# Altium PCB BLACKPEARLROBOT.PcbDoc
Units mil, origin at the board's own origin, x right, y up, seen from the top; angles counter-clockwise.
Board outline 3160.64 x 5312.58 mil, 2 copper layers (Top Layer, Bottom Layer); 42 components, 89 nets, 235 pads, 110 vias.
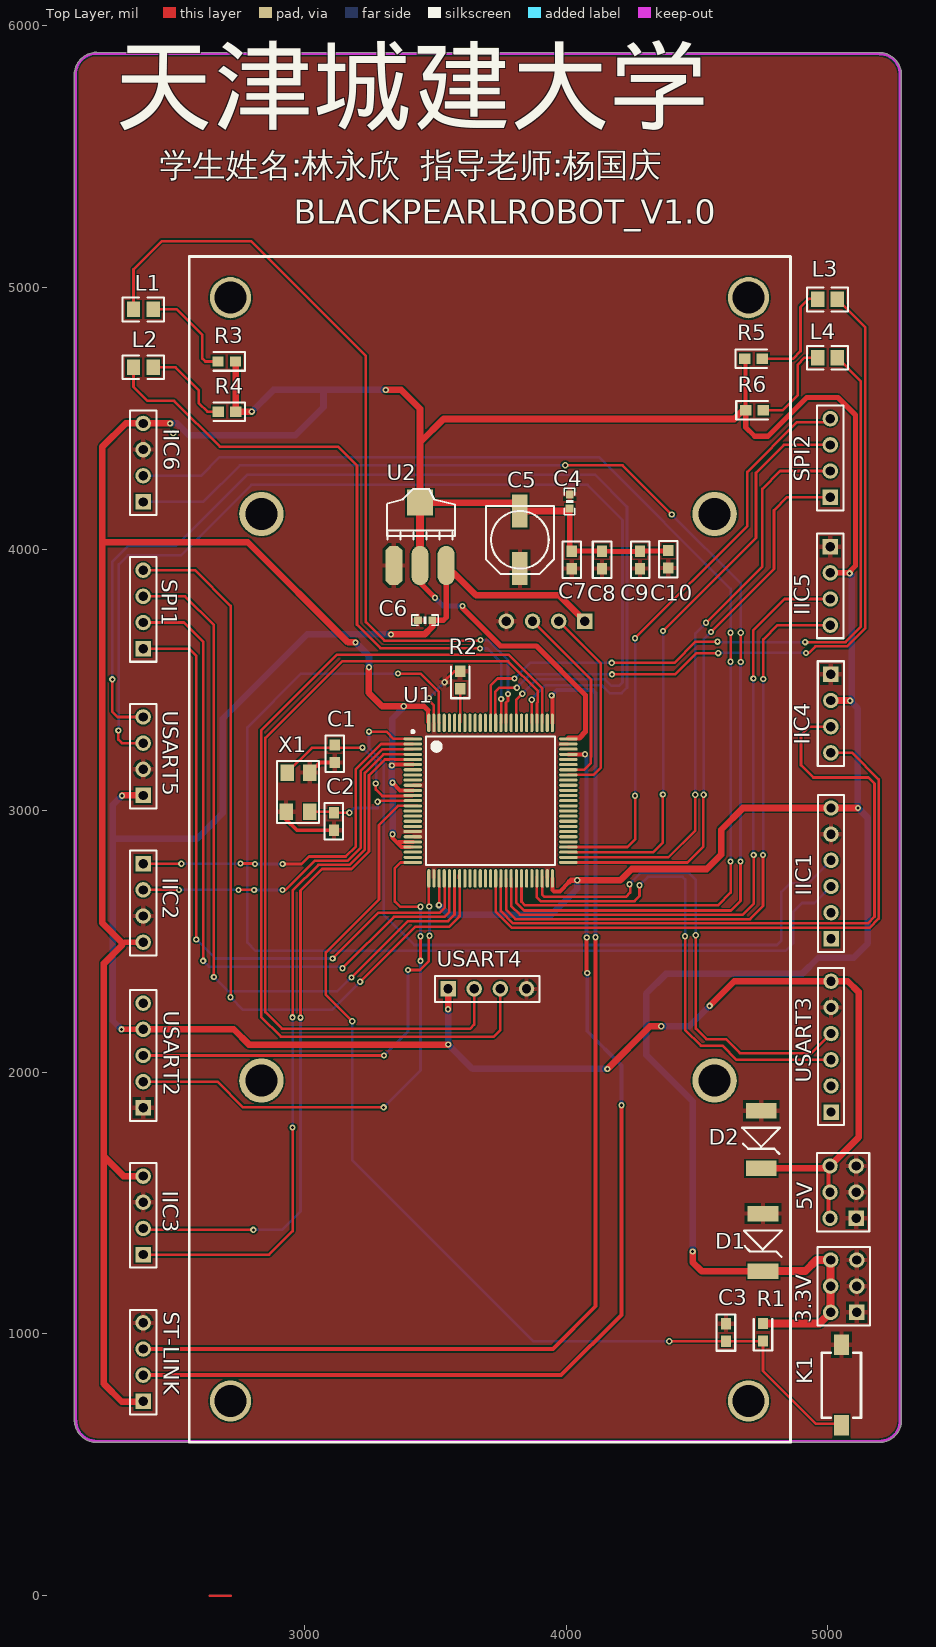
[diagram p0: Top Layer view]
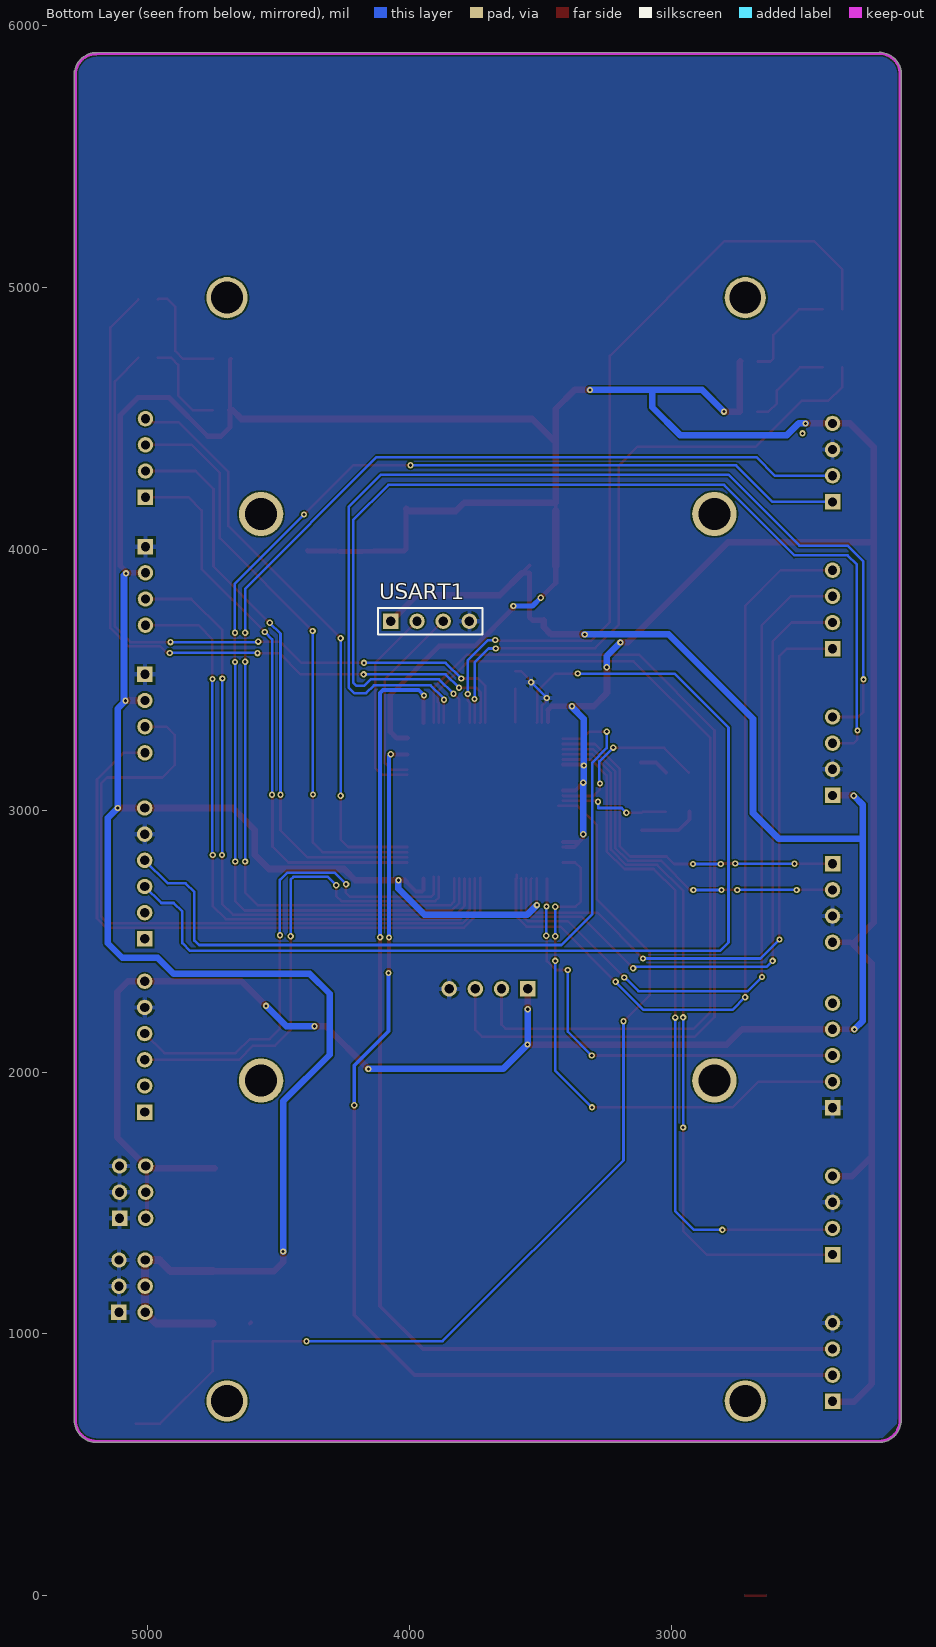
[diagram p1: Bottom Layer view, seen from below]
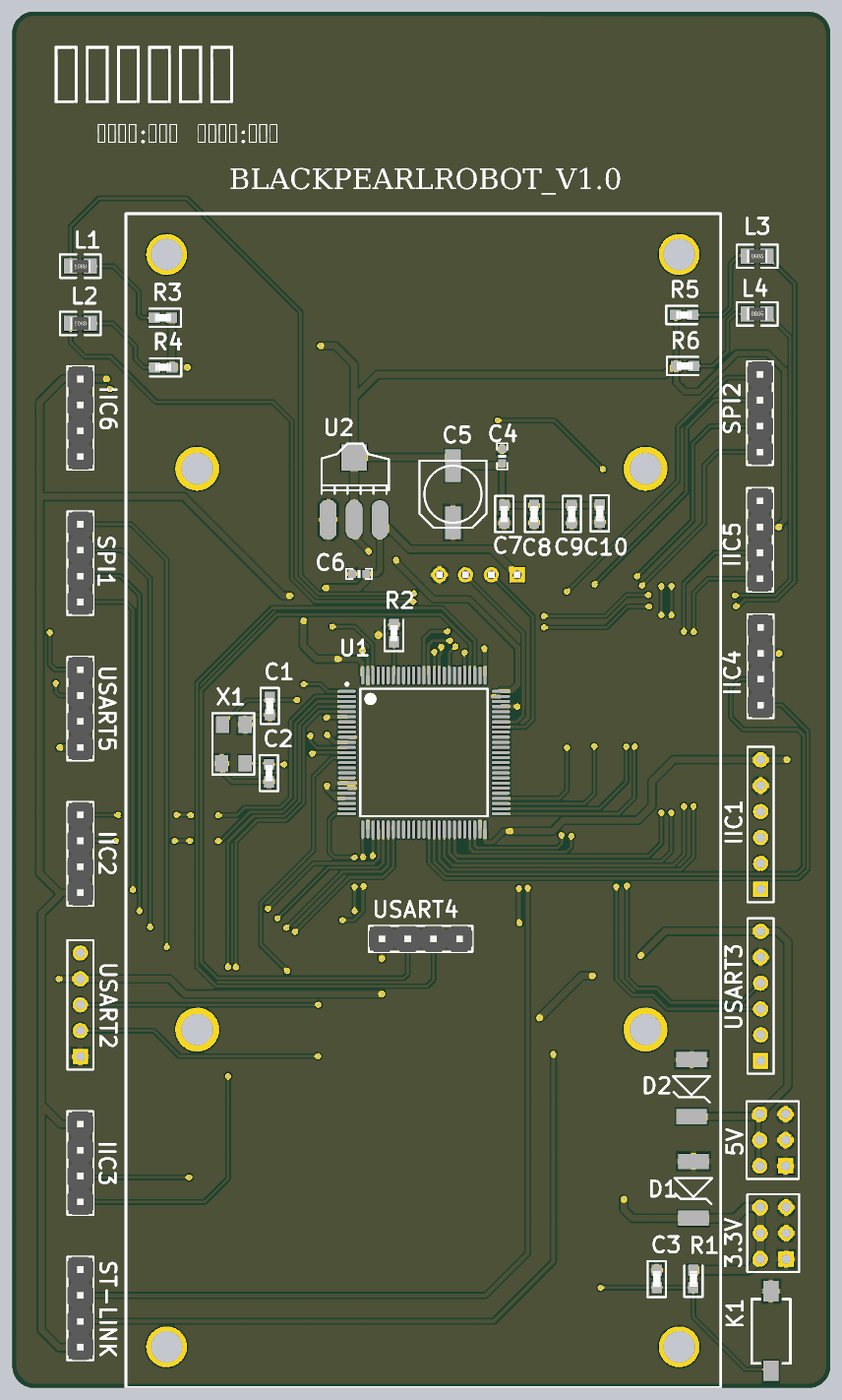
[diagram p2: 3D render of the assembled board from above, using the file's embedded part models]

## Layer stack, top to bottom
Top Solder: solder mask 0.4, Solder Resist, Dk 3.5
Top Layer: signal copper 1.4
Dielectric 1: dielectric 12.6, FR-4, Dk 4.8
Bottom Layer: signal copper 1.4
Bottom Solder: solder mask 0.4, Solder Resist, Dk 3.5

## Board outline
2119.97,666 2119.97,5814.36 cw(c2203.72,5814.36) 2203.72,5898.12 cw(c2203.72,5893.1) 2204.06,5898.11 5196.85,5897.12 cw(c5196.85,5813.36) 5279.24,5828.44 cw(c5275.59,5825) 5280.61,5825 5280.61,669.29 cw(c5196.85,669.29) 5196.85,585.54 2204.72,585.54 cw(c2204.72,669.29) 2121.23,662.67 cw(c2124.98,666)

## Design rules (kind name [scope] priority, off if disabled: settings)
Clearance Clearance_1 [All] p1: gap=6
Clearance All [All] p2: gap=6
DiffPairsRouting [All] p1: maxlimit=19.68 minlimit=19.68 mostfreqgap=19.68 toplayer_minwidth=15 toplayer_maxwidth=15 toplayer_prefwidth=15 bottomlayer_minwidth=15 bottomlayer_maxwidth=15 bottomlayer_prefwidth=15 maxuncoupledlength=500
HoleSize [All] p1: absolutevalues=TRUE maxlimit=300 minlimit=1 maxpercent=80.000 minpercent=20.000
PolygonConnect [All] p1: connectstyle=Relief reliefconductorwidth=18 reliefentries=4 polygonreliefangle="90 Angle" airgapwidth=10
RoutingVias [All] p1: holewidth=12 width=24 viastyle="Through Hole" minholewidth=12 minwidth=24 maxholewidth=12 maxwidth=24
SilkToSilkClearance [All] p1: silktosilkclearance=2
SilkToSolderMaskClearance [IsPad] p1: minsilkscreentomaskgap=2 clearancetoexposedcopper=TRUE
SolderMaskExpansion [All] p1: expansion=2.5
Width Width_1 [InNetClass('PWR')] p1: maxlimit=60 minlimit=10 preferedwidth=15
Width [All] p2: maxlimit=80 minlimit=10 preferedwidth=10
26 further rules are at their usual default settings.

## Classes and differential pairs
component class BLACKPEARLROBOT: 3.3V 5V C1 C2 C3 C4 C5 C6 C7 C8 C9 C10 D1 D2 IIC2 IIC3 IIC4 IIC5 IIC6 K1 L1 L2 L3 L4 R1 R2 R3 R4 R5 R6 SPI1 SPI2 ST-LINK U2 USART2 USART3 USART4 USART5 X1

## Components (designator, comment, footprint, x,y, rotation, side; value= is the part's Value field where it differs from the comment)
3.3V "VCC3.3" HDR2X3 5110.24,1082.68 r90 top
5V "5V" HDR2X3 5108,1442 r90 top
C1 "20pF" Cap-0603 3115.19,3251.43 r90 top
C2 "20pF" Cap-0603 3112.19,2992.5 r90 top
C3 "0.1u" Cap-0603 4610.05,971.95 r270 top
C4 "104" 0603P 4012.94,4181.5 r90 top
C5 "220uF" CC6.56.5 3822.83,4035.16 r90 top
C6 "104" 0603P 3460,3728 r0 top
C7 "0.1u" Cap-0603 4021,3992.5 r90 top
C8 "0.1u" Cap-0603 4136.73,3992.5 r90 top
C9 "0.1u" Cap-0603 4282.19,3992.5 r90 top
C10 "0.1u" Cap-0603 4390,3995 r90 top
D1 "SMBJ5.0A" SMBJ 4751.97,1355.16 r270 top
D2 "SMBJ5.0A" SMBJ 4745,1748 r270 top
IIC1 "6pin" HDR1X6 5011.81,2510.24 r90 top
IIC2 "4Pin" 4Pin 2383,2797.22 r270 top
IIC3 "4Pin" 4Pin 2383,1303.36 r90 top
IIC4 "4Pin" 4Pin 5011,3521 r270 top
IIC5 "4Pin" 4Pin 5009,4009 r270 top
IIC6 "4Pin" 4Pin 2383,4180 r90 top
K1 "KEY" KEY-tie 5055.12,807.09 r90 top
L1 "LED-0805" LED-0805 2417,4916 r180 top
L2 "LED-0805" LED-0805 2417,4695 r180 top
L3 "LED-0805" LED-0805 4964.66,4953.56 r0 top
L4 "LED-0805" LED-0805 4964.66,4731 r0 top
R1 "1K" RES-0603 4751.97,1035.43 r90 top
R2 "1K" RES-0603 3595,3528 r90 top
R3 "1K" RES-0603 2673,4717 r180 top
R4 "1K" RES-0603 2674.45,4525.19 r180 top
R5 "1K" RES-0603 4745,4727 r0 top
R6 "1K" RES-0603 4748,4530 r0 top
SPI1 "4Pin" 4Pin 2383,3619.07 r90 top (schematic designator P2)
SPI2 "4Pin" 4Pin 5009,4198 r90 top
ST-LINK "4Pin" 4Pin 2383,742.43 r90 top
U1 "STM32F103VET6" STM32F103VET6 3712.6,3039.37 r0 top
U2 "AMS1117-3.3" AMS1117 3340.91,3937.23 r0 top
USART1 "4Pin" 4Pin 4071,3724 r180 bottom
USART2 "5pin" HDR1X5 2383,1864.29 r90 top
USART3 "6pin" HDR1X6 5011.81,1848.03 r90 top
USART4 "4Pin" 4Pin 3548.03,2318.9 r0 top
USART5 "4Pin" 4Pin 2383,3058.14 r90 top
X1 "XTAL" XTAL-tie 2959,3076 r90 top

## Footprints (in the part's own frame and the unit in brackets; to place one, negate y for a bottom-side part, rotate by r counter-clockwise, add the part's x,y. Pads: shape width x height; smd on the part's side, far side on the other; paste and mask are expansions set on the pad)
4Pin [mm]
  rect 1.5x1.5 hole 0.9: 1(0,0)
  round 1.5 hole 0.9: 2(2.54,0) 3(5.08,0) 4(7.62,0)
  silkscreen extent -1.27,-1.27 8.89,1.27, body extent -1.27,-1.27 8.89,1.27, height 8.54
0603P [mil]
  rect 30x30 smd: 1(-27,0) 2(27.5,-0.06)
  silkscreen extent -50,-20 50,20
AMS1117 [mil]
  oct 65x150 smd: 1(0.03,-0.06)
  oval 65x150 smd: 2(100.03,-0.06) 3(200.03,-0.06)
  rect 100x100 smd: 4(100.03,239.94)
  silkscreen extent -26,100 234,293
Cap-0603 [mm]
  rect 1.1x1 smd: 1(-1.713,0.005) 2(-0.013,0.005)
  silkscreen extent -2.62,-0.9 0.91,0.9, body extent -1.66,-0.4 -0.06,0.4, height 0.3
CC6.56.5 [mm]
  rect 3.2x1.5 smd: 1(-2.794,0) 2(2.8,0)
  silkscreen extent -3.3,-3.3 3.3,3.3
HDR1X5 [mm] "Connector; Header; 5 Position"
  rect 1.5x1.5 hole 0.9: 1(0,0)
  round 1.5 hole 0.9: 2(2.54,0) 3(5.08,0) 4(7.62,0) 5(10.16,0)
  silkscreen extent -1.27,-1.27 11.43,1.27
HDR1X6 [mm] "Connector; Header; 6 Position"
  rect 1.5x1.5 hole 0.9: 1(0,0)
  round 1.5 hole 0.9: 2(2.54,0) 3(5.08,0) 4(7.62,0) 5(10.16,0) 6(12.7,0)
  silkscreen extent -1.27,-1.27 13.97,1.27
HDR2X3 [mm]
  rect 1.5x1.5 hole 0.9: 1(0,0)
  round 1.5 hole 0.9: 2(0,2.54) 3(2.54,0) 4(2.54,2.54) 5(5.08,0) 6(5.08,2.54)
  silkscreen extent -1.27,-1.27 6.35,3.81
KEY-tie [mm]
  rect 2x1.5 smd: 1(-3.952,0.086) 2(3.848,0.086)
  silkscreen extent -3.23,-1.81 3.07,1.99, body extent -4.01,-1.86 3.88,1.99, height 2.5
LED-0805 [mm]
  rect 1.3x1.5 smd: 1(-0.093,0.008) 2(1.807,0.008)
  silkscreen extent -1.14,-1.14 2.86,1.16, body extent -0.14,-0.62 1.86,0.64, height 0.55
RES-0603 [mm]
  rect 1.1x1 smd: 1(-1.589,0.005) 2(0.111,0.005)
  silkscreen extent -2.5,-0.9 0.56,0.9, body extent -1.54,-0.4 0.06,0.4, height 0.3
SMBJ [mm]
  rect 1.5x3 smd: 1(-2.667,0) 2(2.921,0)
  silkscreen extent -1.02,-1.85 1.52,1.83
STM32F103VET6 [mm]
  oval 1.8x0.3 smd: 1(-7.598,5.971) 2(-7.598,5.471) 3(-7.598,4.971) 4(-7.598,4.471) 5(-7.598,3.971) 6(-7.598,3.471) 7(-7.598,2.971) 8(-7.598,2.471) 9(-7.598,1.971) 10(-7.598,1.471) 11(-7.598,0.971) 12(-7.598,0.471) 13(-7.598,-0.029) 14(-7.598,-0.529) 15(-7.598,-1.029) 16(-7.598,-1.529) 17(-7.598,-2.029) 18(-7.598,-2.529) 19(-7.598,-3.029) 20(-7.598,-3.529) 21(-7.598,-4.029) 22(-7.598,-4.529) 23(-7.598,-5.029) 24(-7.598,-5.529) 25(-7.598,-6.029) 51(7.502,-6.029) 52(7.502,-5.529) 53(7.502,-5.029) 54(7.502,-4.529) 55(7.502,-4.029) 56(7.502,-3.529) 57(7.502,-3.029) 58(7.502,-2.529) 59(7.502,-2.029) 60(7.502,-1.529) 61(7.502,-1.029) 62(7.502,-0.529) 63(7.502,-0.029) 64(7.502,0.471) 65(7.502,0.971) 66(7.502,1.471) 67(7.502,1.971) 68(7.502,2.471) 69(7.502,2.971) 70(7.502,3.471) 71(7.502,3.971) 72(7.502,4.471) 73(7.502,4.971) 74(7.502,5.471) 75(7.502,5.971)
  oval 0.3x1.8 smd: 26(-6.048,-7.579) 27(-5.548,-7.579) 28(-5.048,-7.579) 29(-4.548,-7.579) 30(-4.048,-7.579) 31(-3.548,-7.579) 32(-3.048,-7.579) 33(-2.548,-7.579) 34(-2.048,-7.579) 35(-1.548,-7.579) 36(-1.048,-7.579) 37(-0.548,-7.579) 38(-0.048,-7.579) 39(0.452,-7.579) 40(0.952,-7.579) 41(1.452,-7.579) 42(1.952,-7.579) 43(2.452,-7.579) 44(2.952,-7.579) 45(3.452,-7.579) 46(3.952,-7.579) 47(4.452,-7.579) 48(4.952,-7.579) 49(5.452,-7.579) 50(5.952,-7.579) 76(5.952,7.521) 77(5.452,7.521) 78(4.952,7.521) 79(4.452,7.521) 80(3.952,7.521) 81(3.452,7.521) 82(2.952,7.521) 83(2.452,7.521) 84(1.952,7.521) 85(1.452,7.521) 86(0.952,7.521) 87(0.452,7.521) 88(-0.048,7.521) 89(-0.548,7.521) 90(-1.048,7.521) 91(-1.548,7.521) 92(-2.048,7.521) 93(-2.548,7.521) 94(-3.048,7.521) 95(-3.548,7.521) 96(-4.048,7.521) 97(-4.548,7.521) 98(-5.048,7.521) 99(-5.548,7.521) 100(-6.048,7.521)
  silkscreen extent -7.72,-6.28 6.2,6.8, body extent -7.05,-7.03 6.95,6.97, height 1.6
XTAL-tie [mm]
  rect 1.6x1.3 smd: 1(-2.026,0.756) 2(1.774,-1.544) 3(-2.026,-1.544) 4(1.774,0.656)
  silkscreen extent -3.13,-2.44 2.9,1.66

## Part data
3.3V 5V: library part "Header 3X2", "Header, 3-Pin, Dual row"
C1 C2 C3 C7 C8 C9 C10: library part Cap-0603
C4 C6: library part C
C5: library part CAP
D1 D2: library part SMBJ, "TVS"
IIC1 USART3: library part "Header 6", "Header, 6-Pin"
K1: library part KEY-tie
R1 R2 R3 R4 R5 R6: library part RST-0603
U2: library part AMS1117
USART2: library part "Header 5", "Header, 5-Pin"
X1: library part XTAL-tie

## Free pads (board coordinates)
  round 157.48 hole 122.05: 1(2716.54,4960.63) 2(4696.85,4960.63) 3(2716.54,744.09) 4(4696.85,744.09)
  round 169.29 hole 122.05: 5(2834.65,4133.86) 6(4566.93,4133.86) 7(2834.65,1968.5) 8(4566.93,1968.5)

## Via types
v1: diameter 24, hole 12, Top Layer to Bottom Layer, 110 vias

## Nets (pads, with @x,y where several pads share a name; then routed paths per layer and width w, separated by ;. In a path a pad name is that pad's centre, name@x,y a point inside that pad or via, vN(x,y) a via of type N, cw(c..) or ccw(c..) an arc to the next point about the centre after c; other vN are vias at no path point)
5V: 5V.2 5V.4 5V.6 C6.2 D2.2 U2.3 USART1.1 USART2.4 USART3.6 USART4.1 USART5.1 | length 8095.7
  Top Layer w15: U2.3 U2.3@3570.11,3908 ; 5V.2@5002.36,1431.5 5V.6@5002.36,1631.5
  Top Layer w20: v1(2299.71,2164.29) USART2.4 ; C6.2 3529.94,3727.94 3540.95,3738.95 3540.95,3908 U2.3@3570.11,3908
  Top Layer w25: v1@2303.14,3058.14 USART5.1 ; USART2.4 2728.71,2164.29 2787,2106 v1(3549,2106) ; v1(3330,3673.5) 3458.5,3673.5 3487.5,3702.5 C6.2 ; v1(3548.03,2241.03) USART4.1 ; U2.3@3570.11,3908 3655.11,3823 3972,3823 USART1.1 ; v1(4157,2013) 4320,2176 v1(4363,2176) ; v1(4548,2254) 4642.03,2348.03 USART3.6 5076,2348.03 5117,2307.03 5117,1751 5V.6 4999,1633 D2.2
  Bottom Layer w20: 3642.5,2012.5 3643,2013
  Bottom Layer w25: v1(2299.71,2164.29) 2266.71,2197.29 2266.71,2892 ; v1(2302,3057) 2266.71,3021.71 2266.71,2892 ; v1@3332,3674 3010,3674 2687,3351 2687,2991 2588,2892 2266.71,2892 ; v1@3548.03,2106 v1(3548.03,2241.03) ; v1(3549,2106) 3642,2013 ; 3643,2013 v1(4157,2013) ; v1(4363,2176) 4470,2176 v1(4548,2254)
BOOT0: R2.1 U1.94 | length 126.7
  Top Layer w10: U1.94@3595.37,3338.24 R2.1@3595.37,3464.89
GND: 3.3V.1 3.3V.3 3.3V.5 5V.1 5V.3 5V.5 C1.1 C2.1 C3.1 C4.2 C5.1 C6.1 C7.1 C8.1 C9.1 C10.1 D1.1 D2.1 IIC1.5 IIC2.3 IIC3.3 IIC4.1 IIC5.1 IIC6.3 K1.2 R2.2 ST-LINK.4 U1.10 U1.19 U1.20 U1.27 U1.49 U1.74 U1.99 U2.1 USART1.4 USART2.1 USART3.5 USART4.4 USART5.2 X1.1 X1.2 | length 624.8
  Top Layer w10: v1(3475,3431) 3475,3422 3494.17,3402.83 U1.99 ; v1(3535,3491) 3535,3495 3572.38,3532.38 R2.2
  Top Layer w15: ST-LINK.4@2380.57,1040 ST-LINK.4 ; X1.1 2929.24,2966.76 2970.93,2925.07 C2.1 ; X1.2 3057.94,3184 C1.1 ; C3.1@4605.61,1044 C3.1 ; 3.3V.1@5106.3,1078.74 3.3V.1 ; 3.3V.5 3.3V.5@5111.02,1283.46
  Bottom Layer w10: v1(3475,3431) v1(3535,3491)
IIC1_SCL: IIC1.3 U1.98 | length 4203.8
  Top Layer w10: v1(3357,3524) 3443,3524 3512,3455 3512,3337.31 U1.98
  Bottom Layer w10: v1(3357,3524) 2987,3524 2780.75,3317.75 2780.75,2496.25 2813,2464 4838,2464 4868,2494 4868,2614 4901,2647 4948.57,2647 IIC1.3
IIC1_SDA: IIC1.4 U1.1 | length 2901
  Top Layer w10: v1(3246,3302) 3312,3302 3339.57,3274.43 U1.1
  Bottom Layer w10: v1(3246,3302) 3246,3238.63 3302,3182.63 3302,2604 3419.5,2486.5 4804.5,2486.5 4822,2504 4822,2689 4855,2722 4923.57,2722 IIC1.4
IIC2_SCL: IIC2.1 U1.2 | length 1388.1
  Top Layer w10: IIC2.1 v1(2528.78,2797.22) ; v1(2755,2798) v1@2800,2798 ; v1(2916,2796) 2988,2796 3017,2825 3157,2825 3196,2864 3196,3159 3291.75,3254.75 U1.2
  Bottom Layer w10: v1(2528.78,2797.22) v1@2759.78,2797.22 ; v1(2810,2796) v1(2916,2796)
IIC2_SDA: IIC2.2 U1.3 | length 1419.2
  Top Layer w10: IIC2.2 v1(2520.22,2697.22) ; v1(2747.22,2697.22) v1@2801.22,2697.22 ; v1(2915,2697) 2927,2697 3039,2809 3165,2809 3214,2858 3214,3151 3298,3235 3413.39,3235 U1.3
  Bottom Layer w10: v1(2520.22,2697.22) v1(2747.22,2697.22) ; v1(2807,2697) v1(2915,2697)
IIC3_SCL: IIC3.1 U1.4 | length 2756.2
  Top Layer w10: IIC3.1 2864.36,1303.36 2954,1393 v1(2954,1789) ; v1(2954,2210) 2954,2694 3053,2793 3171.63,2793 3230,2851.37 3230,3144.37 3301.01,3215.38 U1.4
  Bottom Layer w10: v1(2954,1789) v1(2954,2210)
IIC3_SDA: IIC3.2 U1.5 | length 2665.2
  Top Layer w10: IIC3.2 2388.36,1398 v1(2804,1398) ; v1(2984,2209) 2984,2694 3067,2777 3178.25,2777 3246,2844.75 3246,3135 3306.69,3195.69 3323.62,3195.69 3323.93,3196 3342.98,3196 3343.29,3195.69 U1.5
  Bottom Layer w10: v1(2804,1398) 2913,1398 2984,1469 v1(2984,2209)
IIC4_SCL: IIC4.4 U1.39 | length 2391
  Top Layer w10: U1.39@3730.07,2742.97 3730.07,2614 3791,2553.07 3791,2552 5158,2552 5194,2588 5194,3120 5093,3221 IIC4.4
IIC4_SDA: IIC4.3 U1.40 | length 2643.6
  Top Layer w10: U1.40 3750.07,2616.64 3797,2569.71 5153.08,2569.71 5178,2594.63 5178,3104 5155,3127 4944,3127 4897,3174 4897,3289 4929,3321 IIC4.3
IIC5_SCL: IIC5.4 U1.41 | length 2432.9
  Top Layer w10: U1.41@3770.07,2738.97 3770.07,2621.64 3806,2585.71 4702,2585.71 4752,2635.71 v1(4752,2831) ; v1(4753,3503) 4753,3655 4807,3709 IIC5.4
  Bottom Layer w10: v1(4752,2831) 4753,2832 v1(4753,3503)
IIC5_SDA: IIC5.3 U1.42 | length 2452.5
  Top Layer w10: U1.42 3789.44,2635.56 3822.46,2602.54 4674.54,2602.54 4716,2644 v1(4716,2831) ; v1(4715,3505) 4715,3690 4834,3809 IIC5.3
  Bottom Layer w10: v1(4715,3505) 4715,2832 v1(4716,2831)
IIC6_SCL: IIC6.1 U1.43 | length 4721.3
  Top Layer w10: U1.43 3809.13,2647.87 3838.46,2618.54 4629.54,2618.54 4666,2655 v1(4666,2806) ; v1(3996,4320) 4215,4320 v1(4403,4132) v1@4404,4131 ; v1(4667,3568) v1(4667,3680)
  Bottom Layer w10: IIC6.1 2612,4180 2752,4320 v1(3996,4320) ; v1(4403,4132) 4667,3868 v1(4667,3680) ; v1(4666,2806) 4666,3567 v1(4667,3568)
IIC6_SDA: IIC6.2 U1.44 | length 4557.5
  Top Layer w10: U1.44 3828.81,2652.19 3842.5,2638.5 4579.5,2638.5 4628,2687 v1(4628,2806) ; v1(4628,3569) v1(4628,3680)
  Bottom Layer w10: IIC6.2 2603,4280 2674,4351 4125,4351 4628,3848 v1(4628,3680) ; v1(4628,2806) v1(4628,3569)
LED1: L1.2 U1.85 | length 3132.6
  Top Layer w10: L1.2 2345.86,5068.86 2454,5177 2795,5177 3234,4738 3234,3721 3305,3650 3670,3650 v1(3672,3652) ; U1.85 3769.76,3412.76 3777,3420 v1(3777,3446)
  Bottom Layer w10: v1(3672,3652) 3700,3652 3777,3575 v1(3777,3446)
LED2: L2.2 U1.86 | length 2498.8
  Top Layer w10: L2.2 2345.86,4620.14 2400,4566 2501,4566 2676,4391 3128,4391 3200,4319 3200,3711 3290,3621 3669,3621 v1(3670,3620) ; U1.86 3751,3336.39 v1(3751,3427)
  Bottom Layer w10: v1(3670,3620) 3698,3620 3751,3567 v1@3751,3435 ; v1(3751,3427) v1@3753,3425
LED3: L3.2 U1.87 | length 2935.7
  Top Layer w10: U1.87 3728,3337.84 3728,3453 3745,3470 v1(3811,3470) ; v1(4175,3521) 4416,3521 4497,3602 v1(4581,3602) ; v1(4916,3603) 4927,3603 4952,3628 5073.63,3628 5143,3697.37 5143,4846.68 L3.2
  Bottom Layer w10: v1(3811,3470) 3862,3521 v1(4175,3521) ; v1(4581,3602) 4582,3603 v1(4916,3603)
LED4: L4.2 U1.88 | length 2719.6
  Top Layer w10: U1.88 3710.7,3477.7 3738,3505 v1(3802,3505) ; v1(4174,3565) 4413,3565 4494,3646 v1(4578,3646) ; v1@4912,3643 v1(4913,3644) 5067,3644 5126,3703 5126,4641.12 L4.2
  Bottom Layer w10: v1(3802,3505) 3862,3565 v1(4174,3565) ; v1(4578,3646) 4580,3644 v1(4913,3644)
NetL1_1: L1.1 R3.2 | length 383.1
  Top Layer w10: L1.1 2511.31,4915.69 2609,4818 2609,4728 2620.19,4716.81 R3.2
NetL2_1: L2.1 R4.2 | length 348.4
  Top Layer w10: L2.1 2507.31,4694.69 2596,4606 2596,4557 2628,4525 R4.2
NetL3_1: L3.1 R5.2 | length 407.1
  Top Layer w10: R5.2 4866.19,4727.19 4895,4756 4895,4925 4927,4957 4957.88,4957 L3.1
NetL4_1: L4.1 R6.2 | length 360.5
  Top Layer w10: R6.2 4827.19,4530.19 4884,4587 4884,4704 4911.31,4731.31 L4.1
OSC_IN: C1.2 U1.12 X1.4 | length 662.6
  Top Layer w10: X1.4 3027.33,3240 3104.07,3240 3105.07,3241 v1(3221,3241) ; v1(3272,3104) 3272,3081 3297,3056 3411.56,3056 U1.12
  Bottom Layer w10: v1(3221,3241) 3274,3188 3274,3106 v1(3272,3104)
OSC_OUT: C2.2 U1.13 X1.3 | length 429
  Top Layer w10: X1.3 C2.2@3107.76,2996.24 ; C2.2 v1(3171,2992) v1@3172,2991 ; v1(3279,3034) 3283.21,3038.21 U1.13
  Bottom Layer w10: v1(3171,2992) 3189,3010 3279,3010 v1(3279,3034) v1@3284,3034
PA0: U1.23
PA1: U1.24
PA8: U1.67
PA11: U1.70
PA12: U1.71
PA15: U1.77
PB0: U1.35
PB1: U1.36
PB2: U1.37
PB3: U1.89
PB4: U1.90
PB5: U1.91
PB6: U1.92
PB7: U1.93
PB8: U1.95
PB9: U1.96
PC0: U1.15
PC1: U1.16
PC2: U1.17
PC3: U1.18
PC4: U1.33
PC5: U1.34
PC6: U1.63
PC7: U1.64
PC8: U1.65
PC9: U1.66
PC13: U1.7
PC14: U1.8
PC15: U1.9
PD3: U1.84
PD8: U1.55
PD9: U1.56
PD10: U1.57
PD11: U1.58
PD12: U1.59
PD13: U1.60
PE0: U1.97
PE7: U1.38
PE14: U1.45
PE15: U1.46
RESET: C3.2 K1.1 R1.1 U1.14 | length 3931.4
  Top Layer w10: v1(3182,2195) 3081,2296 3081,2458 3284,2661 3284,2945.21 3357,3018.21 U1.14@3430.46,3018.21 ; v1(4393.44,972.44) C3.2 R1.1@4751.34,972.44 ; R1.1 4751.78,858.46 4952.76,657.48 K1.1@5045.77,657.48
  Bottom Layer w10: v1(3182,2195) 3182,1663.88 3873.44,972.44 v1(4393.44,972.44)
SPI1_MISO: SPI1.3 U1.31 | length 2850.2
  Top Layer w10: SPI1.3 2542.93,3819.07 2653,3709 v1(2653,2364) ; v1(3179,2362) 3395,2578 3548,2578 3572.91,2602.91 U1.31 U1.31@3573.81,2740.06
  Bottom Layer w10: v1(2653,2364) 2707,2310 3125,2310 3169,2354
SPI1_MOSI: SPI1.4 U1.32 | length 3086.2
  Top Layer w10: SPI1.4 2580.93,3919.07 2717,3783 v1(2717,2287) ; v1(3212,2346) 3423,2557 3553,2557 3589.81,2593.81 3589.81,2596.59 ; U1.32@3589.81,2740.97 U1.32@3589.81,2754 ; 3592.59,2596.59 U1.32
  Bottom Layer w10: v1(2717,2287) 2765,2239 3105,2239 v1(3212,2346)
SPI1_NSS: SPI1.1 U1.29 | length 2478
  Top Layer w10: SPI1.1 2557.93,3619.07 2586,3591 v1(2586,2508) ; v1(3107,2435) 3282,2610 3516.53,2610 3536,2629.47 3536,2738.5 U1.29
  Bottom Layer w10: v1(2586,2508) 2659,2435 v1(3107,2435) v1@3112,2430
SPI1_SCK: SPI1.2 U1.30 | length 2649.6
  Top Layer w10: SPI1.2 2538.93,3719.07 2612,3646 v1(2612,2426) ; v1(3145,2398) 3341,2594 3535,2594 3553.22,2612.22 U1.30
  Bottom Layer w10: v1(2612,2426) 2634,2404 3139,2404 v1(3145,2398)
SPI2_MISO: SPI2.3 U1.53 | length 2265
  Top Layer w10: U1.53 4332.36,2841.36 4369,2878 v1(4369,3062) ; v1(4370,3687) 4725,4042 4725,4291 4832,4398 SPI2.3
  Bottom Layer w10: v1(4369,3062) 4370,3063 v1(4370,3687)
SPI2_MOSI: SPI2.4 U1.54 | length 2250.8
  Top Layer w10: U1.54 4233.95,2861.05 4263,2890.1 v1(4263,3057) ; v1(4263,3659) 4692,4088 4692,4295 4882,4485 4996,4485 SPI2.4
  Bottom Layer w10: v1(4263,3057) v1(4263,3659)
SPI2_NSS: SPI2.1 U1.51 | length 2164.5
  Top Layer w10: U1.51 4462.99,2801.99 4523.5,2862.5 4523.5,3051.5 v1@4523,3052 ; v1(4553,3683) 4794,3924 4794,4148 4844,4198 SPI2.1
  Bottom Layer w10: v1(4525,3061) 4525,3655 v1(4553,3683)
SPI2_SCK: SPI2.2 U1.52 | length 2227.1
  Top Layer w10: U1.52 4389.68,2821.68 4493,2925 v1(4493,3061) ; v1(4534,3718) 4749,3933 4749,4230 4817,4298 SPI2.2
  Bottom Layer w10: v1(4493,3061) 4493,3677 v1(4534,3718)
SWCLK: ST-LINK.3 U1.76 | length 4426.9
  Top Layer w15: ST-LINK.3 3948.43,942.43 4112,1106 v1(4112,2516) ; v1(3944,3440) 3946.64,3437.36 U1.76@3946.64,3335.74
  Bottom Layer w15: v1(3944,3440) 3964.5,3460.5 4101.5,3460.5 4112,3450 v1(4112,2516)
SWDIO: ST-LINK.2 U1.72 | length 4189.2
  Top Layer w15: ST-LINK.2 3980.43,842.43 4211,1073 v1(4211,1874) ; U1.72 v1(4071.62,3215.38) v1@4073,3214 ; v1(4078,2515) 4078,2382 v1(4080,2380)
  Bottom Layer w15: v1(4071.62,3215.38) 4078,3209 v1(4078,2515) ; v1(4080,2380) 4080,2157 4211,2026 v1(4211,1874)
UART1_RX: U1.69 USART1.3 | length 731.6
  Top Layer w10: USART1.3 4094.62,3500.38 4094.62,3205.85 4094,3205.23 4094,3182 4068.32,3156.32 U1.69
UART1_TX: U1.68 USART1.2 | length 760.7
  Top Layer w10: USART1.2 4131,3564 4131,3164 4103.64,3136.64 U1.68
UART2_RX: U1.26 USART2.3 | length 1688.2
  Top Layer w10: USART2.3 v1(3303.29,2064.29) ; v1(3395,2391) 3440.53,2391 3475,2425.47 3475,2520 v1(3477,2522) ; U1.26 3474.48,2635.52 v1(3476,2634)
  Bottom Layer w10: v1(3303.29,2064.29) 3395,2156 v1(3395,2391) ; v1(3477,2522) v1@3477,2626
UART2_TX: U1.25 USART2.2 | length 2096
  Top Layer w10: USART2.2 2666.71,1964.29 2765,1866 v1(3302,1866) ; U1.25 3366.99,2801.99 3345,2780 3345,2653 3365,2633 v1(3443,2633) ; v1(3443,2426) v1(3443,2520)
  Bottom Layer w10: v1(3302,1866) 3443,2007 v1(3443,2426) ; v1(3443,2520) v1(3443,2633)
UART3_RX: U1.48 USART3.4 | length 1880.6
  Top Layer w10: U1.48@3907.81,2747.97 3907.81,2680 3917.31,2670.5 4227.5,2670.5 4244,2687 v1@4244,2711 ; v1@4238,2719 v1(4242,2719) ; v1(4495,2524) 4495,2167 4535,2127 4610,2127 4664,2073 4936.78,2073 USART3.4
  Bottom Layer w10: v1(4242,2719) 4286,2763 4467,2763 4495,2735 v1(4495,2524)
UART3_TX: U1.47 USART3.3 | length 1896.7
  Top Layer w10: U1.47@3887.81,2746.97 3887.81,2669 3902.31,2654.5 4260.5,2654.5 4280,2674 v1(4280,2715) ; v1(4454,2520) 4454,2162 4514,2102 4597.03,2102 4651,2048.03 USART3.3
  Bottom Layer w10: v1(4280,2715) 4312,2747 4444,2747 4454,2737 v1(4454,2520)
UART4_RX: U1.79 USART4.2 | length 3347.4
  Top Layer w10: USART4.2 3648.03,2182.03 3633,2167 2913,2167 2850,2230 2850,3277.62 3143.38,3571 3777,3571 3891,3457 3891,3414.47 3887.87,3411.34 U1.79
UART4_TX: U1.78 USART4.3 | length 3588.4
  Top Layer w10: USART4.3 3748.03,2161.03 3723,2136 2909,2136 2834,2211 2834,3307 3123,3596 3780,3596 3907.55,3468.45 U1.78
UART5_RX: U1.83 USART5.3 | length 4031.5
  Top Layer w10: v1(2288,3306) 2288,3272 2301.86,3258.14 USART5.3 ; U1.83 3809.13,3424.13 v1(3832,3447)
  Bottom Layer w10: v1@2288,3315 2290,3317 2290,3941 2325,3976 2528,3976 2797,4245 4081,4245 4215,4111 4215,3490 4202,3477 4173,3477 4148,3502 3887,3502 v1(3832,3447)
UART5_TX: U1.80 USART5.4 | length 4045.6
  Top Layer w10: v1(2265,3502) 2265,3378 2284.86,3358.14 USART5.4 ; v1(3868,3424) 3868.18,3423.82 U1.80
  Bottom Layer w10: v1(2265,3502) 2265,3952 2326,4013 2510,4013 2781,4284 4109,4284 4232,4161 4232,3470 4211,3449 4166,3449 4136,3479 3919,3479 3868,3428 v1(3868,3424)
VCC: 3.3V.2 3.3V.4 3.3V.6 C4.1 C5.2 C7.2 C8.2 C9.2 C10.2 D1.2 IIC1.6 IIC2.4 IIC3.4 IIC4.2 IIC5.2 IIC6.4 R1.2 R3.1 R4.1 R5.1 R6.1 ST-LINK.1 U1.6 U1.11 U1.21 U1.22 U1.28 U1.50 U1.75 U1.100 U2.2 U2.4 | length 20983.9
  Top Layer w10: v1@3336,2905 v1(3336,2910) ; U1.22@3403,2861.05 U1.22 ; v1(3513,2639) 3513.85,2639.85 U1.28 ; v1@3603,3774 v1(3603,3782) ; 4048.43,3274.43 4076,3302 4076,3439 4073.62,3441.38
  Top Layer w15: v1(3333.46,3173) 3330.73,3175.73 3413.18,3175.73 U1.6 ; v1@3336,2905 3336,2895 3369.95,2861.05 U1.22@3403,2861.05 ; v1(3336,3107) 3365.14,3077.86 3413.18,3077.86 U1.11 ; 3360.27,2880.73 U1.21 ; U2.4@3440.95,4146 U2.4 ; U1.100@3470.67,3339.27 3470.67,3384.33 ; U1.50 3946.92,2697.08 3952.5,2691.5 3975.5,2691.5 4011,2727 ; R5.1 4685.45,4724.19 R6.1 ; v1@5084,3420 v1(5085,3420)
  Top Layer w20: 2300.22,2483.43 2314,2497.22 IIC2.4 ; v1(3379,3399) 3456,3399 3470.67,3384.33 ; U2.2 3440.95,3871.05 v1(3498,3814) ; 3440.94,4408 3442,4408 ; v1@3603,3774 3748,3629 3886,3629 4073.62,3441.38 4073.62,3302 4049.87,3278.25 U1.75@4007.95,3278.25 ; 4011,2727 4018,2734 v1(4042,2734) ; C4.1 4012.94,3999.88 C7.2 C8.2 4181,3991 C9.2@4267,3991 ; C9.2 4387.31,3992 C10.2 ; R6.1 4685.45,4465.55 4720,4431 4771,4431 4919,4579 5038,4579 5105,4512 5105,3936 5078,3909 IIC5.2
  Top Layer w25: ST-LINK.1@2381.57,741 2301,741 2233,809 2233,1678 ; IIC3.4 2307.64,1603.36 2233,1678 ; v1(2486,4480) IIC6.4 2316,4480 2226,4390 2226,4026 ; R3.1 2737,4715.36 R4.1 v1(2798,4525) ; v1(3194,3643) 3165.82,3643 2782.82,4026 2226,4026 ; v1@3245,3540 3245,3450 3296,3399 v1(3379,3399) ; v1(3310,4608) 3369,4608 3440.94,4536.06 3440.94,4408 U2.4 3791.06,4177.17 C5.2 4003.83,4145.39 C4.1 ; 3442,4408 3531,4497 4642,4497 4675.19,4530.19 R6.1 ; v1(4042,2734) 4207,2734 4250,2777 4537,2777 4592,2832 4592,2927 4675.24,3010.24 IIC1.6@5009.85,3010.24 ; v1(4482.84,1315) 4482.84,1274.16 4516.84,1240.16 D1.2 ; IIC4.2 v1@5084,3421 ; IIC1.6 v1(5114.76,3010.24) ; 2226,4026 2226,2571.43 2300.22,2497.22 2300.22,2483.43 2233,2416.22 2233,1678
  Top Layer w30: U2.2 U2.4@3440.95,4146 ; R1.2 4967.37,1039.81 3.3V.2 3.3V.4 3.3V.6 4955.91,1282.68 4913.39,1240.16 D1.2
  Top Layer w50: IIC1.6@5009.85,3010.24 IIC1.6
  Bottom Layer w20: v1(3498,3814) 3530,3782 v1(3603,3782)
  Bottom Layer w25: v1(2486,4480) 2513,4480 2559,4434 2964,4434 3072,4542 3072,4608 ; v1(2798,4525) 2881,4608 3072,4608 ; v1(3194,3643) 3246,3591 v1(3246,3548) ; v1(3310,4608) 3072,4608 ; v1@3333.46,3107 v1(3333.46,3173) 3334.5,3174.04 3334.5,3351.5 3379,3396 v1(3379,3399) ; v1(3336,2910) v1(3336,3107) ; v1(3513,2639) 3549,2603 3943.77,2603 4042,2701.23 v1(4042,2734) ; v1(4482.84,1315) 4482.84,1889.04 4305,2066.89 4305,2300 4381,2376 4901,2376 4963,2438 5098,2438 5153,2493 5153,2972 v1(5114.76,3010.24) 5114.76,3390.24 5091,3414 5091,3899 v1(5083,3907)
"": 
"": 
pads on no net: IIC1.1 IIC1.2 U1.61 U1.62 U1.73 U1.81 U1.82 USART2.5 USART3.1 USART3.2
copper on no net: | length 78.7
  Top Layer w10: 2637.8,0 2716.54,0
  other v1: 2498,4442

## Polygon pours and split planes (outlines as drawn)
GND on Bottom Layer "GND" (solid, pour order 54): 2115,5841 2130,5841 2191,5902 2196,5897 5222,5897 5228,5897 5284,5841 5279,5836 5279,647 5275,647 5218,590 5213,585 2196,585 2196,599 2120,675 2120,5855
GND on Top Layer "GND" (solid, pour order 62): 2111,5822 2186,5897 5214,5897 5284,5827 5274,5817 5274,637 5270,637 5218,585 5208,595 2177,595 2177,604 2125,656 2129,660 2129,5841

## Keep-outs
Keep-Out Layer:
  lines w10: 2124.98,666 2124.98,5814.36 cw(c2203.72,5814.36) 2203.72,5893.1 5196.85,5892.1 cw(c5196.85,5813.36) 5275.59,5813.36 ; 2125.98,669.29 ccw(c2204.72,669.29) 2204.72,590.55 5196.85,590.55 ccw(c5196.85,669.29) 5275.59,669.29 5275.59,5825

## Silkscreen, mask and mechanical layers (free items; w line width, h text height)
Top Overlay:
  lines w10: 2559.06,586.61 4857,586.61 4857,5118.11 2559.06,5118.11 2559.06,586.61
  text "天津城建大学" at 2273.34,5544.97 h472.44
  text "学生姓名:林永欣  指导老师:杨国庆" at 2446.57,5391.43 h157.48
  text "BLACKPEARLROBOT_V1.0" at 2958,5213 h157.48
Mechanical 1:
  lines w10: 2124.98,678 2124.98,5814.36 cw(c2203.72,5814.36) 2203.72,5893.1 ; 2125.98,5118.11 2125.98,669.29 ccw(c2204.72,669.29) 2204.72,590.55 5196.85,590.55 ccw(c5196.85,669.29) 5275.59,669.29 ; 2209,5893.09 5196.85,5892.1 cw(c5196.85,5813.36) 5275.59,5813.36 ; 5275.59,5118.11 5275.59,669.29 ; 5275.59,5812.36 5275.59,669.29